# KiCad board Sandy_3in1.kicad_pcb (continued)
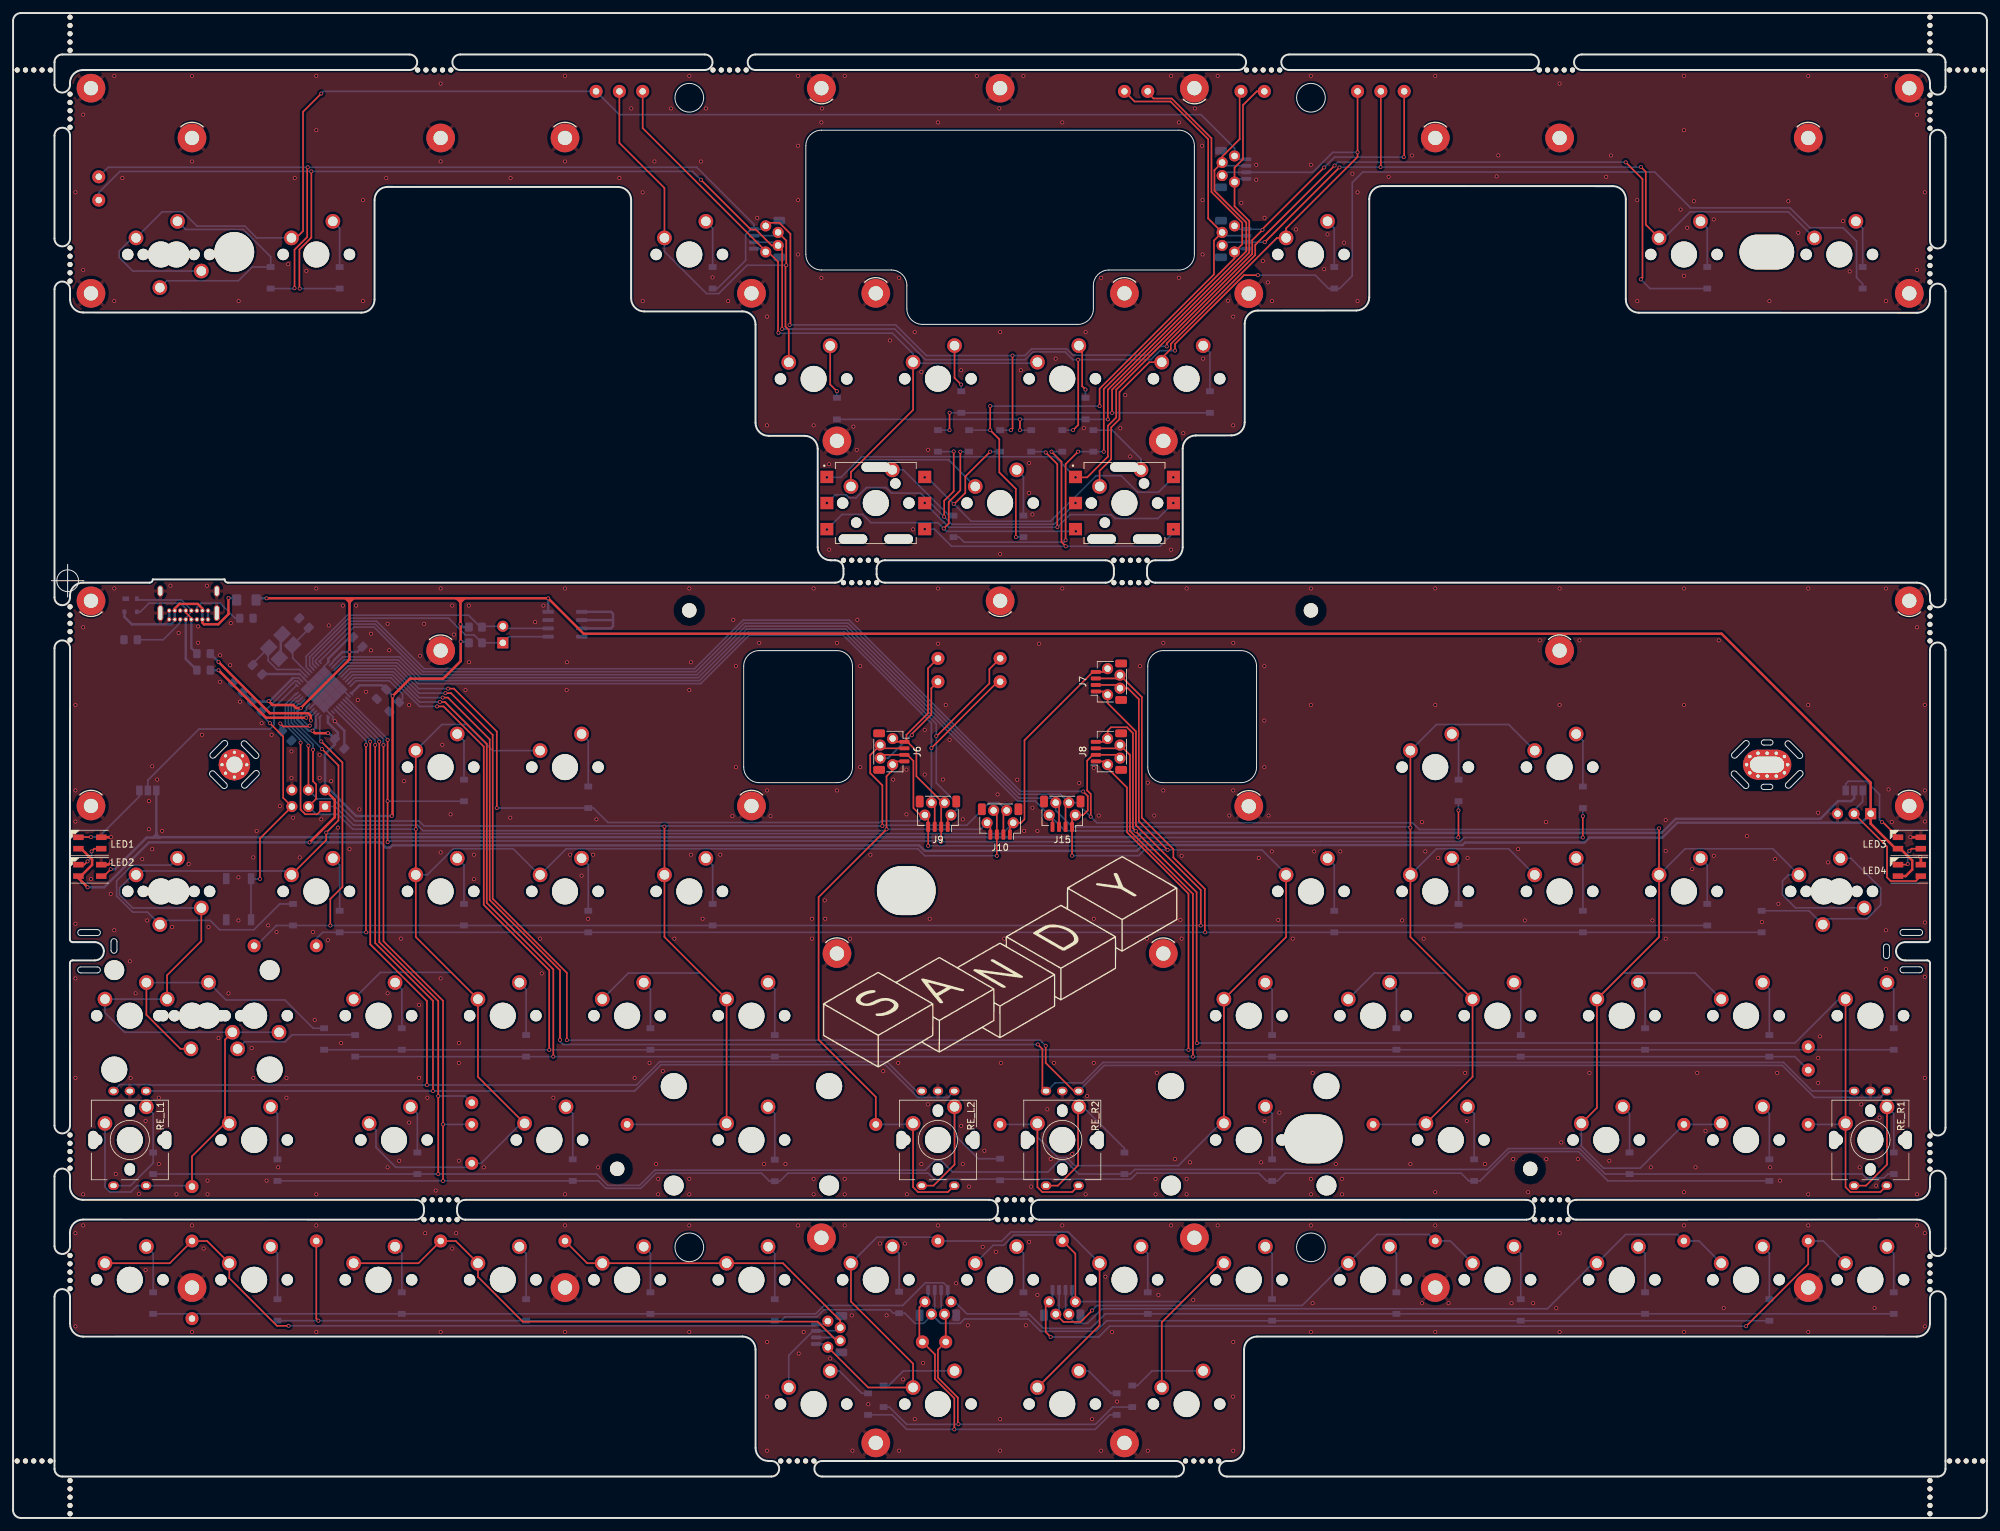
[diagram p0: board, top side]
## Library data of the parts
C1 = -: LCSC: C15850
C2 C3 = -: LCSC: C1804
C4 C5 C7 = -: LCSC: C49678
C6 = -: LCSC: C28323
D1-D9 D11-D64 D74 D79 D84 D87 D89 D91-D94 D96-D98 = -: LCSC: C81598
D10 = -: LCSC: C78442
F1 = -: LCSC: C70076
JP_LED1 JP_LED2 = -: Field4: 3; Field5: 1
LOGO1 = -: Text: @jpskenn
R1 R2 = -: LCSC: C27834
R3 R4 = -: LCSC: C17561
R5 R6 = -: LCSC: C17414
R8 R9 = -: LCSC: C17673
S1 S2 = -: MANUFACTURER: E-Switch; MAXIMUM_PACKAGE_HEIGHT: 12.6 mm; PARTREV: D; STANDARD: Manufacturer Recommendations
U1 = -: LCSC: C45874
U2 = -: LCSC: C79988
Y1 = -: LCSC: C13738

## Footprints (pads in the part's own frame, mm; a bottom-side part is the same pattern mirrored in y, then rotated)
60_Outline-Sandy8
  round 0.787 hole 0.787 unplated: (-150.617,-68.256) (-150.607,144.956) (-149.347,-68.256) (-149.337,144.956) (-148.077,-68.256) (-148.067,144.956) (-146.807,-68.256) (-146.797,144.956) (-145.537,-68.256) (-145.527,144.956) (-142.511,153.053) (-142.511,151.783) (-142.511,150.513) (-142.511,149.243) (-142.511,147.973) (-142.511,141.26) (-142.511,139.99) (-142.511,138.72) (-142.511,137.45) (-142.511,136.18) (-142.511,117.686) (-142.511,116.416) (-142.511,115.146) (-142.511,113.876) (-142.511,112.606) (-142.511,62.679) (-142.511,61.409) (-142.511,60.139) (-142.511,58.869) (-142.511,57.599) (-142.511,-18.284) (-142.511,-19.554) (-142.511,-20.824) (-142.511,-22.094) (-142.511,-23.364) (-142.511,-36.762) (-142.511,-38.032) (-142.511,-39.302) (-142.511,-40.572) (-142.511,-41.842) (-142.511,-71.262) (-142.511,-72.532) (-142.511,-73.802) (-142.511,-75.072) (-142.511,-76.342) (-89.246,144.956) (-88.286,-28.223) (-88.286,-31.265) (-87.976,144.956) (-87.016,-28.223) (-87.016,-31.265) (-86.706,144.956) (-85.746,-28.223) (-85.746,-31.265) (-85.436,144.956) (-84.476,-28.223) (-84.476,-31.265) (-84.166,144.956) (-83.206,-28.223) (-83.206,-31.265) (-43.997,144.956) (-42.727,144.956) (-41.457,144.956) (-40.187,144.956) (-38.917,144.956) (-33.612,-68.256) (-32.342,-68.256) (-31.072,-68.256) (-29.802,-68.256) (-28.532,-68.256) (-24.003,69.811) (-24.003,66.375) (-22.733,69.811) (-22.733,66.375) (-21.462,69.811) (-21.462,66.375) (-20.192,69.811) (-20.192,66.375) (-18.922,69.811) (-18.922,66.375) (-0.349,-28.223) (-0.349,-31.265) (0.921,-28.223) (0.921,-31.265) (2.191,-28.223) (2.191,-31.265) (3.461,-28.223) (3.461,-31.265) (4.731,-28.223) (4.731,-31.265) (17.431,69.811) (17.431,66.375) (18.701,69.811) (18.701,66.375) (19.971,69.811) (19.971,66.375) (21.241,69.811) (21.241,66.375) (22.511,69.811) (22.511,66.375) (28.41,-68.256) (29.68,-68.256) (30.95,-68.256) (32.22,-68.256) (33.49,-68.256) (37.759,144.956) (39.029,144.956) (40.299,144.956) (41.569,144.956) (42.839,144.956) (81.915,-28.225) (81.915,-31.267) (82.619,144.956) (83.185,-28.225) (83.185,-31.267) (83.889,144.956) (84.455,-28.225) (84.455,-31.267) (85.159,144.956) (85.725,-28.225) (85.725,-31.267) (86.429,144.956) (86.995,-28.225) (86.995,-31.267) (87.699,144.956) (142.472,153.063) (142.472,151.793) (142.472,150.523) (142.472,149.253) (142.472,147.983) (142.475,141.109) (142.475,139.839) (142.475,138.569) (142.475,137.299) (142.475,136.029) (142.475,117.535) (142.475,116.265) (142.475,114.995) (142.475,113.725) (142.475,112.455) (142.475,62.528) (142.475,61.258) (142.475,59.988) (142.475,58.718) (142.475,57.448) (142.475,-18.435) (142.475,-19.705) (142.475,-20.975) (142.475,-22.245) (142.475,-23.515) (142.475,-36.913) (142.475,-38.183) (142.475,-39.453) (142.475,-40.723) (142.475,-41.993) (142.475,-71.262) (142.475,-72.532) (142.475,-73.802) (142.475,-75.072) (142.475,-76.342) (145.481,144.956) (145.481,-68.256) (146.751,144.956) (146.751,-68.256) (148.021,144.956) (148.021,-68.256) (149.291,144.956) (149.291,-68.256) (150.561,144.956) (150.561,-68.256)
  round 6.096 hole 6.096 unplated: (-117.348,117.062)
  oval 9x7.5 hole 9x7.5 unplated: (-14.375,19.175) (47.976,-18.88)
  oval 8.382x5.334 hole 8.382x5.334 unplated: (117.475,117.055)
  oval 5.2x2.4 hole 5.2x2.4 unplated: (117.525,38.475) (117.525,38.475)
  round 1 hole 0.5: 1(-119.225,38.475) 1(-118.675,39.825) 1(-118.675,37.175) 1(-117.325,40.375) 1(-117.325,36.575) 1(-116.075,39.825) 1(-116.075,37.125) 1(-115.425,38.475) 1(114.375,38.475) 1(114.375,38.475) 1(114.875,39.725) 1(114.875,39.725) 1(114.875,37.225) 1(114.875,37.225) 1(116.125,40.225) 1(116.125,40.225) 1(116.125,36.725) 1(116.125,36.725) 1(117.525,40.225) 1(117.525,40.225) 1(117.525,36.725) 1(117.525,36.725) 1(118.925,40.225) 1(118.925,40.225) 1(118.925,36.725) 1(118.925,36.725) 1(120.175,39.725) 1(120.175,39.725) 1(120.175,37.225) 1(120.175,37.225) 1(120.675,38.475) 1(120.675,38.475)
  round 4.8 hole 2.499: 1(-117.325,38.475)
  oval 7.4x4.6 hole 5.2x2.4: 1(117.525,38.475)
C_0805_2012Metric_Pad1.15x1.40mm_HandSolder
  rrect 1.15x1.4 smd: 1(-1.025,0) 2(1.025,0)
Crystal_SMD_3225-4Pin_3.2x2.5mm_HandSoldering
  rect 2.1x1.8 smd: 1(-1.45,-1.15) 2(1.45,-1.15) 3(1.45,1.15) 4(-1.45,1.15)
D_SOD-123
  rect 0.9x1.2 smd: 1(-1.65,0) 2(1.65,0)
Fuse_1206_3216Metric_Pad1.42x1.75mm_HandSolder
  rrect 1.425x1.75 smd: 1(-1.488,0) 2(1.488,0)
JST_SH_SM04B-SRSS-TB_1x04-1MP_P1.00mm_Horizontal_wCable_housing_spare_pin
  oval 1.7x1.7 hole 1: 1(-2,0.2) 2(-1,-1.7) 3(1,-1.7) 4(2,0.2)
  rrect 0.6x1.55 smd: 1(-1.5,2) 2(-0.5,2) 3(0.5,2) 4(1.5,2)
  rrect 1.2x1.8 smd: MP(-2.8,-1.875) MP(2.8,-1.875)
LED_SK6812MINI_PLCC4_3.5x3.5mm_P1.75mm_TriangleMark_Thick
  rect 1.6x0.85 smd: 1(-1.75,0.875) 2(-1.75,-0.875) 3(1.75,-0.875) 4(1.75,0.875)
MountingHole_2.2mm_M2_No_Cu
  round 2.2 hole 2.2 unplated: (0,0)
MountingHole_2.2mm_M2_Pad_minimal
  round 4.4 hole 2.2: 1(0,0)
MXOnly-1.5U-NoLED
  round 1.75 hole 1.75 unplated: (-5.08,0) (5.08,0)
  round 3.988 hole 3.988 unplated: (0,0)
  round 2.25 hole 1.47: 1(-3.81,2.54) 2(2.54,5.08)
MXOnly-1.25U-NoLED
  round 1.75 hole 1.75 unplated: (-5.08,0) (5.08,0)
  round 3.988 hole 3.988 unplated: (0,0)
  round 2.25 hole 1.47: 1(-3.81,2.54) 2(2.54,5.08)
MXOnly-1.75U-NoLED
  round 1.75 hole 1.75 unplated: (-5.08,0) (5.08,0)
  round 3.988 hole 3.988 unplated: (0,0)
  round 2.25 hole 1.47: 1(-3.81,2.54) 2(2.54,5.08)
MXOnly-1U-NoLED
  round 1.75 hole 1.75 unplated: (-5.08,0) (5.08,0)
  round 3.988 hole 3.988 unplated: (0,0)
  round 2.25 hole 1.47: 1(-3.81,2.54) 2(2.54,5.08)
MXOnly-2U-NoLED
  round 3.048 hole 3.048 unplated: (-11.906,6.985) (11.906,6.985)
  round 3.988 hole 3.988 unplated: (-11.906,-8.255) (0,0) (11.906,-8.255)
  round 1.75 hole 1.75 unplated: (-5.08,0) (5.08,0)
  round 2.25 hole 1.47: 1(-3.81,2.54) 2(2.54,5.08)
MXOnly-2U-ReversedStabilizers-NoLED
  round 3.988 hole 3.988 unplated: (-11.906,8.255) (0,0) (11.906,8.255)
  round 3.048 hole 3.048 unplated: (-11.906,-6.985) (11.906,-6.985)
  round 1.75 hole 1.75 unplated: (-5.08,0) (5.08,0)
  round 2.25 hole 1.47: 1(-3.81,2.54) 2(2.54,5.08)
PinHeader_1x02_P2.54mm_Vertical
  rect 1.7x1.7 hole 1: 1(0,0)
  oval 1.7x1.7 hole 1: 2(0,-2.54)
PinHeader_1x03_P2.54mm_Vertical
  rect 1.7x1.7 hole 1: 1(0,0)
  oval 1.7x1.7 hole 1: 2(0,-2.54) 3(0,-5.08)
PinHeader_2x03_P2.54mm_Vertical
  rect 1.7x1.7 hole 1: 1(0,0)
  oval 1.7x1.7 hole 1: 2(2.54,0) 3(0,-2.54) 4(2.54,-2.54) 5(0,-5.08) 6(2.54,-5.08)
QFN-44-1EP_7x7mm_Pitch0.5mm
  rect 0.7x0.25 smd: 1(-3.4,2.5) 2(-3.4,2) 3(-3.4,1.5) 4(-3.4,1) 5(-3.4,0.5) 6(-3.4,0) 7(-3.4,-0.5) 8(-3.4,-1) 9(-3.4,-1.5) 10(-3.4,-2) 11(-3.4,-2.5) 23(3.4,-2.5) 24(3.4,-2) 25(3.4,-1.5) 26(3.4,-1) 27(3.4,-0.5) 28(3.4,0) 29(3.4,0.5) 30(3.4,1) 31(3.4,1.5) 32(3.4,2) 33(3.4,2.5)
  rect 0.25x0.7 smd: 12(-2.5,-3.4) 13(-2,-3.4) 14(-1.5,-3.4) 15(-1,-3.4) 16(-0.5,-3.4) 17(0,-3.4) 18(0.5,-3.4) 19(1,-3.4) 20(1.5,-3.4) 21(2,-3.4) 22(2.5,-3.4) 34(2.5,3.4) 35(2,3.4) 36(1.5,3.4) 37(1,3.4) 38(0.5,3.4) 39(0,3.4) 40(-0.5,3.4) 41(-1,3.4) 42(-1.5,3.4) 43(-2,3.4) 44(-2.5,3.4)
  rect 1.288x1.288 smd: 45(-1.931,-1.931) 45(-1.931,-0.644) 45(-1.931,0.644) 45(-1.931,1.931) 45(-0.644,-1.931) 45(-0.644,-0.644) 45(-0.644,0.644) 45(-0.644,1.931) 45(0.644,-1.931) 45(0.644,-0.644) 45(0.644,0.644) 45(0.644,1.931) 45(1.931,-1.931) 45(1.931,-0.644) 45(1.931,0.644) 45(1.931,1.931)
R_0805_2012Metric_Pad1.15x1.40mm_HandSolder
  rrect 1.15x1.4 smd: 1(-1.025,0) 2(1.025,0)
R_0805_2012Metric_Pad1.20x1.40mm_HandSolder
  rrect 1.2x1.4 smd: 1(-1,0) 2(1,0)
RotaryEncoder_Alps_EC11K-Switch_Vertical_H20mm_NPTH_MP
  oval 1.5x2.8 hole 1.5x2.8 unplated: (-5.6,0) (5.6,0)
  oval 1.6x1.9 hole 1.6x1.9 unplated: (0,4.5) (0,-4.5)
  round 2.1 hole 2.1 unplated: (0,0)
  oval 1.6x1.3 hole 1x0.7: A(2.5,7.5) B(-2.5,7.5) C(0,7.5) S1(2.5,-7) S2(-2.5,-7)
SO-8_3.9x4.9mm_P1.27mm
  rrect 1.75x0.6 smd: 1(-2.575,1.905) 2(-2.575,0.635) 3(-2.575,-0.635) 4(-2.575,-1.905) 5(2.575,-1.905) 6(2.575,-0.635) 7(2.575,0.635) 8(2.575,1.905)
SolderJumper-3_P1.3mm_Open_Pad1.0x1.5mm_NumberLabels
  rect 1x1.5 smd: 1(-1.3,0) 2(0,0) 3(1.3,0)
SOT-143
  rect 0.7x1 smd: 1(-1,0.75)
  rect 0.7x0.6 smd: 2(-1,-0.95) 3(1,-0.95) 4(1,0.95)
SW_JS5208_add_MP_hole
  oval 4.4x1.45 hole 4.4x1.45 unplated: (-3.5,-5.525) (0,5.525) (3.5,-5.525)
  round 1.6 hole 1.6 unplated: (-3,-3) (3,3)
  rect 2x1.9 smd: 1(-7.5,4) 2(-7.5,0) 3(-7.5,-4) 4(7.5,4) 5(7.5,0) 6(7.5,-4)
SW_SPST_TL3342
  rect 1.7x1 smd: 1(-3.15,1.9) 1(3.15,1.9) 2(-3.15,-1.9) 2(3.15,-1.9)
TestPoint_THTPad_D2.0mm_Drill1.0mm
  round 2 hole 1: 1(0,0)
USB_C_Receptacle_GCT_USB4085
  round 0.7 hole 0.4: A1(0,0) A4(0.85,0) A5(1.7,0) A6(2.55,0) A7(3.4,0) A8(4.25,0) A9(5.1,0) A12(5.95,0) B1(5.95,-1.35) B4(5.1,-1.35) B5(4.25,-1.35) B6(3.4,-1.35) B7(2.55,-1.35) B8(1.7,-1.35) B9(0.85,-1.35) B12(0,-1.35)
  oval 0.9x1.7 hole 0.6x1.4: S1(-1.35,-4.36) S1(7.3,-4.36)
  oval 0.9x2.4 hole 0.6x2.1: S1(-1.35,-0.98) S1(7.3,-0.98)

## Nets
+5V: C1.2 C4.2 C5.2 C7.2 F1.1 J2.1 J4.2 LED1.4 LED2.4 LED3.4 LED4.4 R5.1 R8.1 R9.1 U1.2 U1.7 U1.14 U1.24 U1.34 U1.44 U2.8
GND: C1.1 C2.2 C3.2 C4.1 C5.1 C6.2 C7.1 D10.1 H6.1 H7.1 H8.1 H9.1 H10.1 H11.1 H12.1 H13.1 H14.1 H40.1 H41.1 J1.A1 J1.A12 J1.B1 J1.B12 J1.S1 J2.3 J4.6 LED1.2 LED2.2 LED3.2 LED4.2 R1.1 R2.1 R6.1 ResetSW1.1 SW_RE_L1.C SW_RE_L2.C SW_RE_R1.C SW_RE_R2.C U1.5 U1.15 U1.23 U1.35 U1.43 U1.45 U2.1 U2.2 U2.3 U2.4 U2.7 Y1.2 Y1.4
VCC: D10.4 F1.2 J1.A4 J1.A9 J1.B4 J1.B9
col5: EXT_C5.1 J15.3 SW_<1.1 SW_I1.1 SW_K1.1 SW_L1.1 SW_M1.1 SW_O1.1 SW_RALT1.25u1.1 U1.22
col6: EXT_C6.1 J8.2 J15.2 SW_;1.1 SW_>1.1 SW_DOWN1.1 SW_ENT1.5u1.1 SW_ENT1.25u1.1 SW_ROPT1.25u1.1 SW_UP1.1 U1.21
D+: R3.1 U1.4
D-: R4.1 U1.3
LED: JP_LED1.2 U1.12
Mid_col0: EXT_MC0.1 J13.4 SW_Q1.1 SW_TAB1.5u1.1 SW_TAB1.25u1.1
Mid_col2: EXT_MC2.1 J12.2 SW_G1.1 SW_R1.1
Mid_col3: EXT_MC3.1 J12.4 SW_'1.1 SW_;2.1 SW_R4CenterC1.1 SW_R4CenterL1.1
Mid_col4: EXT_MC4.1 J13.2 SW_H1.1 SW_R4CenterR1.1 SW_U1.1
Mid_col6: EXT_MC6.1 J14.2 SW_BS1.5u1.1 SW_P1.1
Mid_col7: EXT_MC7.1 J14.4 S1.1 S2.1
Mid_GND: H15.1 H16.1 H17.1 H18.1 H19.1 H20.1 H21.1 H22.1 H23.1 H24.1 H25.1 H26.1 H27.1 H28.1 H29.1 H30.1 H31.1 H42.1 H43.1
Mid_row1: D1.1 D3.1 D5.1 D60.1 EXT_MR1.1 J12.1
Mid_row2: D8.1 D12.1 D61.1 EXT_MR2.1 J13.1
Mid_row3: D13.1 D15.1 EXT_MR3.1 J14.1
Mid_row6: D2.1 D4.1 D6.1 D64.1 EXT_MR6.1 J12.3
Mid_row7: D7.1 D9.1 D62.1 EXT_MR7.1 J13.3
Mid_row8: D14.1 D63.1 EXT_MR8.1 J14.3
MISO: EXT_C3.1 J4.1 J6.4 J10.4 SW_CenterL1u1.1 SW_RE_L2.S1 U1.11
MOSI: EXT_C2.1 J4.4 J6.2 J10.2 SW_C1.1 SW_F1.1 SW_LSPC2u1.1 SW_V1.1 U1.10
RE_L1_1: EXT_C0.1 J7.4 J10.1 SW_A1.1 SW_CAPS1u1.1 SW_CTL1.5u1.1 SW_CTL1.25u1.1 SW_L2-1u1.1 SW_LSFT1.75u1.1 SW_LSFT1u1.1 SW_LSFT1u2.1 SW_LSFT2u1.1 SW_RE_L1.S1 U1.8
RE_L1_2: D59.2 SW_CAPS1u1.2 SW_RE_L1.S2
RE_L2_2: D22.2 SW_CenterL1u1.2 SW_RE_L2.S2
RE_L_A: SW_RE_L1.A SW_RE_L2.A U1.39
RE_L_B: SW_RE_L1.B SW_RE_L2.B U1.40
RE_R1_1: EXT_C7.1 J8.4 J15.4 SW_Fn1u1.1 SW_RE_R1.S1 SW_RIGHT1.1 U1.25
RE_R1_2: D51.2 SW_RE_R1.S2 SW_RIGHT1.2
RE_R2_1: EXT_C4.1 J7.2 J15.1 SW_CenterR1u1.1 SW_J1.1 SW_N1.1 SW_RE_R2.S1 SW_RSPC2u1.1 U1.20
RE_R2_2: D40.2 SW_CenterR1u1.2 SW_RE_R2.S2
RE_R_A: SW_RE_R1.A SW_RE_R2.A U1.29
RE_R_B: SW_RE_R1.B SW_RE_R2.B U1.30
RESET: J4.5 R5.2 ResetSW1.2 U1.13
row0: EXT_R0.1 J9.1 U1.26
row1: D24.1 D28.1 EXT_R1.1 J6.1 J9.2 U1.36
row2: D34.1 D38.1 D39.1 D44.1 D87.1 EXT_R2.1 J7.1 U1.1
row3: D43.1 D48.1 D49.1 D91.1 D93.1 D97.1 EXT_R3.1 J8.1 U1.32
row4: D40.1 D51.1 D59.1 D92.1 D98.1 EXT_R4.1 U1.38
row5: EXT_R5.1 J9.3 U1.27
row6: D27.1 D74.1 EXT_R6.1 J6.3 J9.4 U1.28
row7: D32.1 D35.1 D37.1 D79.1 D84.1 EXT_R7.1 J7.3 U1.41
row8: D41.1 D45.1 D46.1 D47.1 D89.1 D94.1 EXT_R8.1 J8.3 U1.31
row9: D11.1 D22.1 D52.1 D53.1 D56.1 D57.1 D96.1 EXT_R9.1 U1.37
SCK: EXT_C1.1 J4.3 J10.3 SW_D1.1 SW_E1.1 SW_LALT1.25u1.1 SW_LWIN1.25u1.1 SW_S1.1 SW_W1.1 SW_X1.1 SW_Z1.1 U1.9
SCL: J3.2 R9.2 U1.18 U2.6
SDA: J3.1 R8.2 U1.19 U2.5
Top_col0: EXT_TC0.1 J24.1 SW_1.1 SW_ESC1.1
Top_col1: EXT_TC1.1 J24.3 SW_2.1 SW_3.1
Top_col2: EXT_TC2.1 J24.2 SW_4.1 SW_5.1 SW_T1.1
Top_col3: EXT_TC3.1 J24.4 SW_6.1 SW_[1.1 SW_]1.1 SW_`1.1
Top_col4: EXT_TC4.1 J25.1 SW_7.1 SW_\1.1 SW_Y1.1
Top_col5: EXT_TC5.1 J25.3 SW_8.1 SW_9.1
Top_col6: EXT_TC6.1 J25.2 SW_10.1 SW_-1.1
Top_col7: EXT_TC7.1 J25.4 SW_=1.1
Top_GND: H32.1 H33.1 H34.1 H35.1 H36.1 H37.1 H38.1 H39.1
Top_row0: D16.1 D18.1 D20.1 D23.1 D26.1 D30.1 D33.1 D42.1 EXT_TR0.1 J23.1
Top_row1: D54.1 D58.1 EXT_TR1.1 J23.2
Top_row5: D17.1 D19.1 D21.1 D25.1 D29.1 D31.1 D36.1 EXT_TR5.1 J23.3
Top_row6: D50.1 D55.1 EXT_TR6.1 J23.4
Net-(C2-Pad1): C2.1 U1.17 Y1.1
Net-(C3-Pad1): C3.1 U1.16 Y1.3
Net-(C6-Pad1): C6.1 U1.6
Net-(D1-Pad2): D1.2 SW_TAB1.5u1.2 SW_TAB1.25u1.2
Net-(D2-Pad2): D2.2 SW_Q1.2
Net-(D3-Pad2): D3.2 SW_R1.2
Net-(D4-Pad2): D4.2 SW_U1.2
Net-(D5-Pad2): D5.2 SW_P1.2
Net-(D6-Pad2): D6.2 SW_BS1.5u1.2
Net-(D7-Pad2): D7.2 SW_G1.2
Net-(D8-Pad2): D8.2 SW_;2.2
Net-(D9-Pad2): D9.2 SW_'1.2
Net-(D10-Pad2): D10.2 J1.A6 J1.B6 R3.2
Net-(D10-Pad3): D10.3 J1.A7 J1.B7 R4.2
Net-(D11-Pad2): D11.2 SW_L2-1u1.2
Net-(D12-Pad2): D12.2 SW_H1.2
Net-(D13-Pad2): D13.2 SW_R4CenterL1.2
Net-(D14-Pad2): D14.2 SW_R4CenterC1.2
Net-(D15-Pad2): D15.2 SW_R4CenterR1.2
Net-(D16-Pad2): D16.2 SW_ESC1.2
Net-(D17-Pad2): D17.2 SW_1.2
Net-(D18-Pad2): D18.2 SW_2.2
Net-(D19-Pad2): D19.2 SW_3.2
Net-(D20-Pad2): D20.2 SW_4.2
Net-(D21-Pad2): D21.2 SW_5.2
Net-(D23-Pad2): D23.2 SW_6.2
Net-(D24-Pad2): D24.2 SW_I1.2
Net-(D25-Pad2): D25.2 SW_`1.2
Net-(D26-Pad2): D26.2 SW_\1.2
Net-(D27-Pad2): D27.2 SW_E1.2
Net-(D28-Pad2): D28.2 SW_W1.2
Net-(D29-Pad2): D29.2 SW_7.2
Net-(D30-Pad2): D30.2 SW_8.2
Net-(D31-Pad2): D31.2 SW_9.2
Net-(D32-Pad2): D32.2 SW_ENT1.5u1.2 SW_ENT1.25u1.2
Net-(D33-Pad2): D33.2 SW_10.2
Net-(D34-Pad2): D34.2 SW_K1.2
Net-(D35-Pad2): D35.2 SW_J1.2
Net-(D36-Pad2): D36.2 SW_-1.2
Net-(D37-Pad2): D37.2 SW_D1.2
Net-(D38-Pad2): D38.2 SW_S1.2
Net-(D39-Pad2): D39.2 SW_CTL1.5u1.2 SW_CTL1.25u1.2
Net-(D41-Pad2): D41.2 SW_UP1.2
Net-(D42-Pad2): D42.2 SW_=1.2
Net-(D43-Pad2): D43.2 SW_M1.2
Net-(D44-Pad2): D44.2 SW_;1.2
Net-(D45-Pad2): D45.2 SW_N1.2
Net-(D46-Pad2): D46.2 SW_V1.2
Net-(D47-Pad2): D47.2 SW_X1.2
Net-(D48-Pad2): D48.2 SW_Z1.2
Net-(D49-Pad2): D49.2 SW_LSFT1.75u1.2 SW_LSFT1u1.2 SW_LSFT2u1.2
Net-(D50-Pad2): D50.2 SW_T1.2
Net-(D52-Pad2): D52.2 SW_DOWN1.2
Net-(D53-Pad2): D53.2 SW_RALT1.25u1.2
Net-(D54-Pad2): D54.2 SW_[1.2
Net-(D55-Pad2): D55.2 SW_]1.2
Net-(D56-Pad2): D56.2 SW_LSPC2u1.2
Net-(D57-Pad2): D57.2 SW_LALT1.25u1.2
Net-(D58-Pad2): D58.2 SW_Y1.2
Net-(D60-Pad2): D60.2 S1.4 S2.4
Net-(D61-Pad2): D61.2 S1.2 S2.2
Net-(D62-Pad2): D62.2 S1.5 S2.5
Net-(D63-Pad2): D63.2 S1.3 S2.3
Net-(D64-Pad2): D64.2 S1.6 S2.6
Net-(D74-Pad2): D74.2 SW_O1.2
Net-(D79-Pad2): D79.2 SW_A1.2
Net-(D84-Pad2): D84.2 SW_L1.2
Net-(D87-Pad2): D87.2 SW_F1.2
Net-(D89-Pad2): D89.2 SW_LSFT1u2.2
Net-(D91-Pad2): D91.2 SW_Fn1u1.2
Net-(D92-Pad2): D92.2 SW_ROPT1.25u1.2
Net-(D93-Pad2): D93.2 SW_>1.2
Net-(D94-Pad2): D94.2 SW_<1.2
Net-(D96-Pad2): D96.2 SW_RSPC2u1.2
Net-(D97-Pad2): D97.2 SW_C1.2
Net-(D98-Pad2): D98.2 SW_LWIN1.25u1.2
Net-(J1-PadA5): J1.A5 R2.2
Net-(J1-PadB5): J1.B5 R1.2
Net-(J2-Pad2): J2.2 JP_LED2.3 LED4.1
Net-(JP_LED1-Pad1): JP_LED1.1 LED1.3
Net-(JP_LED1-Pad3): JP_LED1.3 JP_LED2.2 LED2.1
Net-(JP_LED2-Pad1): JP_LED2.1 LED3.3
Net-(LED1-Pad1): LED1.1 LED2.3
Net-(LED3-Pad1): LED3.1 LED4.3
Net-(R6-Pad2): R6.2 U1.33

Pads without a net: J1 A8 B8; J6 MP; J7 MP; J8 MP; J9 MP; J10 MP; J12 MP; J13 MP; J14 MP; J15 MP; J23 MP; J24 MP; J25 MP; REF**#2 1; U1 42

## Via types
v1: diameter 0.6, hole 0.4, Top to Bottom, 709 vias

## Routing (per net, layer and track width the routed paths; a pad name or vN(x,y) marks a point on that pad's centre or on a via; arc(x,y) is an arc through that point)
+5V: length 712.5
  Top w0.381: v1(45.43,103.55) 49.28,107.4 49.28,110.11 J4.2 ; 69.17,140.96 68.56,140.96 ; 69.17,140.96 68.57,140.37 68.56,140.37 ; 69.17,140.96 v1(82,140.96) 87.42,135.54 261.79,135.54 284.63,112.7 J2.1 284.63,106.41 288.46,102.59 LED3.4 289.19,102.59 291,100.78 291,99.39 290,98.39 LED4.4 ; 68.56,140.96 67.9,140.96 ; 68.56,140.96 68.56,140.37 ; 67.9,140.96 67.96,140.96 68.56,140.37 ; 67.9,140.96 v1(38.85,140.96) ; 50.95,140.96 51.55,140.36 52.14,140.96 ; LED1.4 10.45,102.59 12.11,100.93 12.11,100.1 10.39,98.39 LED2.4 10.02,98.07 v1(11.42,96.67) ; v1(39.16,125.22) 39.76,124.61 42.91,124.61 43.38,124.14 v1(44.08,124.14) 51.55,131.61 v1(51.55,132.74) 51.55,140.74 ; 68.56,140.37 v1(68.56,136.99) 68.59,136.96 v1(68.59,134.33) 68.59,131.34 65.9,128.64 60.82,128.64 v1(58.15,125.98) 58.15,107.73 v1(58.02,107.59) ; v1(48.25,120.29) 46.25,120.29 v1(45.88,120.66)
  Bottom w0.254: 42.89,128.75 43.78,128.75 U1.14 ; U1.7 44.33,124.37 ; 49.26,131.57 49.01,131.31 49.01,131.17 U1.24 ; U1.2 46.36,122.86 46.36,122.53 46.39,122.49
  Bottom w0.381: v1(38.85,140.96) 37.49,140.96 F1.1 ; C7.2 52.74,132.74 v1(51.55,132.74) 50.44,132.74 49.26,131.57 ; v1(82,140.96) 81.99,140.96 U2.8 ; v1(44.08,124.14) 43.61,123.67 43.61,122.33 45.28,120.66 v1(45.88,120.66) 46.39,121.17 46.39,122.4 ; v1(68.56,136.99) 69,136.55 R9.1 ; v1(48.25,120.29) 48.4,120.29 C5.2 ; C1.2 R5.1 39.28,125.14 42.71,128.57 42.71,128.57 42.89,128.75 ; v1(11.42,96.67) 13.96,96.67 20.83,103.55 v1(45.43,103.55) 56.35,103.55 57.14,102.77 57.77,102.77 58.09,103.09 138.85,103.09 139.69,102.26 172.2,102.26 173.09,103.15 222.11,103.15 222.49,103.53 240.78,103.53 241.54,104.29 252.72,104.29 255,106.58 283.26,106.58 J2.1 ; v1(58.15,125.98) 58.15,126.03 C4.2 56.55,127.63 53.1,127.63 51.84,126.37 ; C5.2 49.31,118.57 47.8,117.06 J4.2 48.57,111.59 52.56,107.59 v1(58.02,107.59) ; C5.2 49.77,119.84 49.77,120.39 48.25,121.91 48.25,122.77 48.28,122.81 ; R8.1 69.66,134.33 v1(68.59,134.33)
GND: length 55.4
  Top w0.381: LED4.2 292.32,101.23 v1(292.24,101.31) ; v1(14.99,100.55) 14.59,100.14 LED2.2 ; LED3.2 290.73,104.34 v1(290.71,104.36) ; v1(14.99,104.36) 14.98,104.34 LED1.2
  Bottom w0.254: U1.45 50.49,126.99 U1.35 ; U1.5 46.54,125.17 U1.45 ; 49.01,122.42 49.01,122.82 U1.43 47.66,124.17 U1.45 ; U1.45 45.33,127.9 U1.15 44.55,128.74 43.99,129.3 43.91,129.3 ; U1.45 47.66,130.53 U1.23
  Bottom w0.381: U2.3 91.61,136.35 91.93,136.68 91.93,138.58 91.62,138.89 U2.1 ; C5.1 50.76,120.67 v1(49.31,122.12) 49.01,122.42 ; J1.B12 J1.A1 ; Y1.2 41.02,131.98 41.02,135.24 Y1.4 ; C7.1 51.58,134.99 48.29,131.71 48.29,131.19 ; 43.91,129.3 43.85,129.36 38.21,129.36 C3.2 ; U2.2 91.88,137.62 91.93,137.57 ; J1.B1 J1.A12
  vias: v1(9.56,124.61) v1(9.56,111.52) v1(9.56,106.75) v1(9.56,91.08) v1(9.56,82.7) v1(9.56,67.46) v1(10.75,136.52) v1(10.75,49.6) v1(11.92,97.94) v1(14.97,95.66) v1(15.51,142.47) v1(15.51,90.08) v1(15.73,52.73) v1(17.89,85.32) v1(18.02,67.46) v1(18.78,80.42) v1(19.29,49.68) v1(19.8,100.99) v1(20.31,60.86) v1(20.56,91.59) v1(20.81,109.88) v1(20.81,105.56) v1(21.32,115.21) v1(21.32,102.51) v1(22.08,113.18) v1(22.34,64.41) v1(22.34,59.84) v1(22.34,54.25) v1(22.85,105.31) v1(24.12,142.9) v1(24.37,90.58) v1(25.04,49.6) v1(25.37,135.66) v1(26.91,100.23) v1(28.37,136.66) v1(28.37,134.16) v1(28.94,120.04) v1(29.7,142.9) v1(29.8,51.71) v1(29.8,49.6) v1(29.96,90.58) v1(31.48,73.56) v1(31.74,132.23) v1(31.74,128.17) v1(33.01,80.42) v1(33.26,130.71) v1(33.37,137.16) v1(34.53,98.2) v1(34.53,91.59) v1(34.78,125.12) v1(36.56,72.03) v1(36.82,101.24) v1(36.82,67.46) v1(37.32,105.31) v1(38.09,121.82) v1(38.85,51.71) v1(39.1,90.83) v1(39.61,120.04) v1(40.37,89.81) v1(40.63,53.75) v1(40.88,109.12) v1(41.9,67.46) v1(41.9,64.41) v1(42.66,117.5) v1(42.66,113.44) v1(42.91,107.34) v1(43.93,101.24) v1(45.96,89.81) v1(46.21,76.35) v1(46.47,142.47) v1(46.47,49.6) v1(46.98,116.99) v1(46.98,113.44) v1(47.23,107.09) v1(48.25,88.54) v1(48.37,136.8) v1(48.75,112.93) v1(49.77,105.82) v1(50.28,72.8) v1(50.53,139.85) v1(51.55,102.51) v1(52.56,139.85) v1(52.82,125.37) v1(53.07,108.61) v1(54.09,126.64) v1(54.85,135.53) v1(54.85,132.99) v1(57.39,137.06) v1(57.39,80.42) v1(57.39,53.75) v1(57.64,132.99) v1(59.17,54.76) v1(59.42,88.8) v1(59.93,112.93) v1(60.69,124.61) v1(60.69,60.6) v1(62.22,78.64) v1(62.22,67.46) v1(62.37,132.16) v1(62.98,137.06) v1(63.49,64.41) v1(64.76,50.19) v1(65.52,142.47) v1(65.52,102.01) v1(65.52,82.7) v1(65.77,118.52) v1(67.04,107.85) v1(67.3,139.85) v1(67.55,135.41) v1(68.31,72.8) v1(68.31,69.75) v1(68.31,54.76) v1(69.33,126.9) v1(69.84,139.85) v1(69.87,131.16) v1(70.62,101.66) v1(70.62,97.91) v1(72.12,53.75) v1(76.19,107.34) v1(80,137.31) v1(80.76,88.8) v1(81.01,83.46) v1(81.27,139.85) v1(82.79,64.41) v1(84.57,142.47) v1(84.57,49.6) v1(84.82,126.9) v1(84.87,131.16) v1(85.37,101.66) v1(87.11,98.45) v1(88.12,91.85) v1(88.87,101.66) v1(89.39,107.09) v1(89.65,53.75) v1(95.24,67.46) v1(97.52,69.75) v1(98.54,54.25) v1(98.85,51.98) v1(98.85,49.6) v1(99.55,68.48) v1(101.33,88.8) v1(103.62,142.47) v1(103.62,126.9) v1(103.62,51.98) v1(103.62,49.6) v1(103.87,131.16) v1(103.87,101.66) v1(105.65,91.85) v1(108.37,101.66) v1(110.22,107.59) v1(110.37,137.66) v1(110.76,130.57) v1(110.76,115.09) v1(114.33,134.14) v1(115.05,54.25) v1(115.52,111.52) v1(116.06,107.59) v1(118.35,54.25) v1(122.41,91.85) v1(122.41,88.8) v1(122.67,142.47) v1(122.67,51.98) v1(122.67,49.6) v1(124.37,94.66) v1(124.45,91.85) v1(126.24,134.14) v1(126.24,111.52) v1(127.43,51.98) v1(127.43,49.6) v1(128.26,88.8) v1(129.37,137.66) v1(129.81,130.57) v1(129.81,115.09) v1(131.37,101.66) v1(133.34,68.48) v1(134.86,113.18) v1(135.62,69.75) v1(136.89,114.71) v1(136.89,107.85) v1(136.95,49.6) v1(139.18,54.25) v1(139.69,120.8) v1(139.69,113.94) v1(140.19,63.4) v1(140.45,91.85) v1(141.72,142.47) v1(141.72,134.01) v1(142.48,113.18) v1(142.91,124.61) v1(143.5,119.28) v1(145.27,60.1) v1(145.53,107.09) v1(145.53,54.25) v1(146.48,50.79) v1(148.83,56.29) v1(150.86,110.9) v1(151.37,69.75) v1(151.88,88.8) v1(153.87,113.16) v1(154.93,105.31) v1(156,50.79) v1(156.2,108.86) v1(156.96,105.31) v1(157.21,134.01) v1(158.48,62.64) v1(158.99,55.02) v1(159.5,69.75) v1(160.77,142.47) v1(162.29,55.78) v1(163.37,112.66) v1(164.34,49.6) v1(164.58,64.67) v1(165.59,114.96) v1(165.59,91.85) v1(165.59,69.75) v1(166.36,107.66) v1(172.67,130.57) v1(173.72,88.8) v1(173.86,112.71) v1(174.87,107.66) v1(175.05,51.98) v1(175.05,49.6) v1(175.25,68.22) v1(176.25,134.14) v1(176.25,111.52) v1(178.04,55.02) v1(178.87,91.66) v1(179.06,101.5) v1(179.06,88.8) v1(179.82,142.47) v1(179.82,51.98) v1(179.82,49.6) v1(180.33,54.51) v1(186.37,107.66) v1(186.96,134.14) v1(186.96,111.52) v1(190.87,101.16) v1(191.25,54.51) v1(191.72,130.57) v1(191.72,122.23) v1(191.72,115.09) v1(191.76,60.86) v1(192.37,107.66) v1(192.87,102.16) v1(193.87,91.66) v1(194.04,62.13) v1(196.07,88.8) v1(198.87,142.47) v1(198.87,124.61) v1(198.87,51.98) v1(198.87,49.6) v1(199.12,68.22) v1(199.37,102.16) v1(202.68,54.25) v1(203.37,102.16) v1(203.63,51.98) v1(203.63,49.6) v1(212.84,91.59) v1(214.11,54.25) v1(215.87,106.66) v1(216.14,88.8) v1(216.39,102.16) v1(217.92,142.47) v1(217.92,124.61) v1(217.92,49.94) v1(218.37,101.16) v1(222.49,68.22) v1(222.74,60.86) v1(222.87,101.16) v1(225.54,54.25) v1(229.86,55.02) v1(230.62,102.51) v1(231.63,91.59) v1(232.14,49.94) v1(233.92,134.52) v1(234.87,106.66) v1(234.94,55.02) v1(236.97,142.47) v1(236.97,124.61) v1(237.22,57.56) v1(239.76,55.02) v1(240.02,134.52) v1(241.54,68.22) v1(244.59,54.76) v1(250.94,53.75) v1(251.19,91.59) v1(253.22,106.96) v1(253.22,102.26) v1(253.22,88.8) v1(256.02,142.47) v1(256.02,124.61) v1(256.02,49.94) v1(257.29,99.47) v1(257.8,53.75) v1(258.05,68.22) v1(259.32,59.33) v1(260.59,101.5) v1(261.35,134.52) v1(265.67,104.55) v1(267.96,91.34) v1(269.23,53.75) v1(269.99,100.99) v1(270.3,68.22) v1(270.5,94.13) v1(270.75,51.71) v1(275.07,142.47) v1(275.07,124.61) v1(275.07,49.6) v1(276.59,108.1) v1(276.59,70.51) v1(276.59,66.7) v1(276.85,73.81) v1(278.12,100.48) v1(282.94,53.75) v1(283.2,63.4) v1(285.48,50.95) v1(285.99,61.37) v1(286.97,142.47) v1(286.97,90.08) v1(286.97,84.13) v1(287.37,111.66) v1(287.87,106.66) v1(291.74,136.52) v1(291.74,49.6) v1(292.93,124.61) v1(292.93,111.52) v1(292.93,106.75) v1(292.93,91.27) v1(292.93,82.94) v1(292.93,67.46)
VCC: length 26.6
  Top w0.381: J1.B9 24.77,139.38 25.49,140.11 28.31,140.11 29.02,139.4 J1.B4 ; J1.A9 29.02,137.23 29.27,136.98 31.44,136.98 33.01,138.55 v1(33.01,141)
  Bottom w0.381: F1.2 33.98,141 v1(33.01,141) ; D10.4 17.07,138.1 18.19,136.98 24.23,136.98 24.77,137.52 J1.A4 J1.B9 ; J1.A9 J1.B4
col5: length 332.2
  Top w0.254: SW_RALT1.25u1.1 223.63,67.62 SW_<1.1 214.11,89.05 SW_K1.1 v1(214.11,105.82) SW_I1.1 ; J15.3 160.27,109.14 J15.3
  Bottom w0.254: SW_<1.1 219.64,83.52 208.58,83.52 SW_M1.1 ; U1.22 47.02,131.34 52.23,136.55 55.3,136.55 62.6,129.26 104.8,129.26 112.24,136.7 127.76,136.7 154.12,110.34 159.07,110.34 J15.3 159.77,108.44 162.27,105.94 213.99,105.94 v1(214.11,105.82) ; EXT_C5.1 215.83,60.32 215.99,60.48 SW_RALT1.25u1.1 ; SW_I1.1 218.1,121.62 229.16,121.62 SW_O1.1 ; SW_L1.1 229.16,102.57 218.1,102.57 SW_K1.1
col6: length 391.3
  Top w0.254: J15.2 161.27,109.14 J15.2 ; J8.2 169.11,116.97 J8.2 165.46,116.97 164.58,116.09 164.58,111.52 165.13,110.97 165.13,107.51 v1(165.12,107.5) ; v1(252.21,105.7) SW_;1.1 252.21,89.05 SW_>1.1 242.68,62.86 SW_ROPT1.25u1.1
  Bottom w0.254: SW_ROPT1.25u1.1 240.3,57.02 243.7,53.62 249.32,53.62 EXT_C6.1 261.57,60.32 SW_DOWN1.1 ; v1(252.21,105.7) 252.03,105.53 215.47,105.53 214.46,106.55 166.07,106.55 162.97,109.64 J15.2 160.49,110.92 154.19,110.92 127.95,137.15 112.05,137.15 104.61,129.71 62.79,129.71 55.49,137.01 51.9,137.01 46.36,131.46 46.36,131.12 U1.21 ; SW_ENT1.5u1.1 283.62,93.52 273.11,93.52 271.12,95.52 271.12,97.65 272.05,98.58 SW_ENT1.25u1.1 269.64,102.57 256.2,102.57 SW_;1.1 ; SW_>1.1 246.68,83.52 257.74,83.52 SW_UP1.1
D+: length 19.4
  Top w0.381: v1(44.92,122.66) 38.77,122.66 v1(31.48,129.95)
  Bottom w0.254: U1.4 45.59,123.51 45.58,123.51
  Bottom w0.381: v1(44.92,122.66) 44.92,122.85 45.58,123.51 ; R3.1 v1(31.48,129.95)
D-: length 21.6
  Top w0.381: v1(31.48,131.22) 39.34,123.36 45.22,123.36 45.63,122.95 v1(45.63,122.24)
  Bottom w0.254: U1.3 46.31,123.51 45.63,122.82 v1(45.63,122.24)
  Bottom w0.381: v1(31.48,131.22) 30.22,132.48 R4.1
LED: length 32
  Bottom w0.254: JP_LED1.2 20.65,113.09 28.5,120.93 39.36,120.93 39.98,121.56 39.98,124.18 43.44,127.63 U1.12
Mid_col0: length 216.3
  Top w0.254: v1(47.23,218.34) 44.44,215.54 44.44,197.26 43.39,196.21 SW_Q1.1
  Bottom w0.254: J13.4 187.66,208.27 J13.4 187.16,209.97 182.03,215.1 92.9,215.1 EXT_MC0.1 47.56,218.67 v1(47.23,218.34) ; SW_TAB1.25u1.1 18.34,191.13 16.26,193.21 16.26,194.2 18.27,196.21 SW_TAB1.5u1.1 22.84,200.2 25.99,200.2 28.18,198.02 35.51,198.02 37.32,196.21 SW_Q1.1
Mid_col2: length 75.2
  Top w0.254: SW_G1.1 118.86,182.11 118.35,182.61 118.35,191.9 v1(118.48,192.02) 118.48,195.8 J12.2 ; SW_R1.1 99.81,203.86 92.9,210.77 EXT_MC2.1
  Bottom w0.254: J12.2 116.72,196.55 J12.2 ; v1(118.48,192.02) 112.47,192.02 108.12,187.67 106.27,187.67 99.81,194.13 SW_R1.1
Mid_col3: length 137
  Top w0.254: SW_;2.1 137.91,169.84 128.38,160.32 SW_R4CenterL1.1 ; v1(117.27,181.67) 117.33,181.73 117.21,181.85 117.21,192.55 115.71,194.05 J12.4 115.32,194.19 96.47,213.04 EXT_MC3.1
  Bottom w0.254: SW_R4CenterC1.1 143.35,162.2 130.26,162.2 128.38,160.32 SW_R4CenterL1.1 ; J12.4 114.82,194.55 J12.4 ; SW_'1.1 156.81,177.01 138.06,177.01 SW_;2.1 137.91,178.43 134.73,181.6 117.34,181.6 v1(117.27,181.67)
Mid_col4: length 101.1
  Top w0.254: SW_R4CenterR1.1 166.48,160.51 168.26,162.29 168.26,167.16 169.53,168.43 169.53,172.59 174.1,177.16 SW_H1.1 176.01,177.79 177.4,179.19 177.4,179.95 193.66,196.21 SW_U1.1 195.06,197.67 206.01,208.62 v1(206.01,209.32) EXT_MC4.1
  Bottom w0.254: J13.2 185.76,206.27 J13.2 199.14,206.27 202.2,209.32 v1(206.01,209.32)
Mid_col6: length 119.9
  Top w0.254: v1(209.54,207.07) 209.58,207.11 EXT_MC6.1 ; SW_P1.1 250.18,198.24 250.18,206.33 v1(249.43,207.08) ; v1(191.78,195.55) v1(203.24,207.01)
  Bottom w0.254: J14.2 185.76,195.55 J14.2 v1(191.78,195.55) ; v1(249.43,207.08) 249.41,207.07 v1(209.54,207.07) 203.3,207.07 v1(203.24,207.01) ; SW_BS1.5u1.1 272.02,200.2 256.96,200.2 252.97,196.21 SW_P1.1
Mid_col7: length 132.5
  Top w0.254: EXT_MC7.1 213.15,208.65 v1(213.09,208.59) ; v1(200.9,207) 200.88,207 191.45,197.57 v1(191.45,197.44) 189.87,195.87 189.87,193.78 169.03,172.94 169.03,168.69 167.75,167.41 167.75,162.68 164.58,159.51 v1(162.8,159.51)
  Bottom w0.254: v1(162.8,159.51) 159.64,162.66 130.02,162.66 126.86,159.51 v1(124.7,159.51) ; v1(191.45,197.44) 191.33,197.55 J14.4 187.66,197.55 J14.4 ; v1(200.9,207) 202.49,208.59 v1(213.09,208.59)
Mid_GND:
  vias: v1(9.56,203.19) v1(10.75,215.1) v1(10.75,191.29) v1(15.51,221.05) v1(15.51,186.52) v1(16.75,205.38) v1(27.42,221.05) v1(27.42,207.92) v1(34.56,186.52) v1(42.15,192.18) v1(43.17,205.38) v1(44.94,191.16) v1(46.47,221.05) v1(46.47,212.72) v1(53.61,202) v1(53.61,186.52) v1(57.18,205.38) v1(65.52,219.86) v1(65.52,207.92) v1(76.23,205.38) v1(84.57,221.05) v1(84.57,207.92) v1(92.9,205.38) v1(94.73,216.05) v1(96.47,203.19) v1(96.47,186.52) v1(98.28,207.92) v1(100.82,216.05) v1(103.62,221.05) v1(105.4,207.92) v1(106.16,216.05) v1(107.17,190.14) v1(109.57,186.52) v1(114.03,199.29) v1(115.52,184.14) v1(115.52,167.47) v1(120.29,221.05) v1(120.29,210.34) v1(120.29,202) v1(120.29,193.67) v1(122.67,167.47) v1(123.86,213.91) v1(123.86,190.1) v1(123.94,216.05) v1(125.05,161.52) v1(125.05,148.42) v1(127.43,221.05) v1(128.76,167.28) v1(129.27,163.73) v1(134.35,180.49) v1(135.76,190.1) v1(137.91,151.54) v1(138.15,181.76) v1(139.18,175.67) v1(140.19,163.73) v1(141.72,213.91) v1(145.27,175.92) v1(147.67,221.05) v1(151.12,216.05) v1(151.24,181.76) v1(151.24,147.74) v1(154.42,175.92) v1(154.81,221.05) v1(155.69,161.7) v1(155.69,157.12) v1(156.2,153.82) v1(159.75,177.7) v1(160.77,213.91) v1(164.07,167.03) v1(164.34,181.76) v1(166.72,190.1) v1(169.66,167.03) v1(170.42,172.11) v1(171.18,162.71) v1(177.44,221.05) v1(177.44,148.42) v1(178.63,213.91) v1(178.63,190.1) v1(179.31,166.27) v1(181.09,216.05) v1(182.2,210.34) v1(182.26,202) v1(182.26,193.67) v1(182.36,177.7) v1(184.58,221.05) v1(186.17,186.59) v1(186.96,184.14) v1(186.96,167.47) v1(188.2,201.57) v1(190.49,207.42) v1(190.49,205.13) v1(191.5,192.68) v1(191.76,199.29) v1(192.26,189.38) v1(192.91,186.52) v1(196.58,197.51) v1(198.87,221.05) v1(198.87,207.42) v1(200.9,191.41) v1(201.41,196.75) v1(203.95,195.48) v1(205.22,206.05) v1(206.01,203.19) v1(206.01,186.52) v1(210.77,205.57) v1(214.36,208.85) v1(217.92,221.05) v1(227.32,205.64) v1(227.57,208.85) v1(236.97,219.86) v1(244.11,205.57) v1(244.84,208.85) v1(248.87,202) v1(248.87,186.52) v1(255.51,200.56) v1(256.02,221.05) v1(256.02,212.72) v1(256.02,190.4) v1(256.53,197.76) v1(257.54,201.83) v1(260.59,199.03) v1(269.11,186.52) v1(272.02,201.83) v1(273.54,197) v1(275.07,221.05) v1(280.4,198.78) v1(281.42,191.07) v1(286.97,221.05) v1(286.97,186.52) v1(291.74,215.1) v1(291.74,191.29) v1(292.93,203.19)
